# Altium PCB Monitor_Board.PcbDoc (part 1 of 5)
Units mm, origin at the board's own origin, x right, y up, seen from the top; angles counter-clockwise.
Board outline 99.59 x 64.16 mm, 4 copper layers (Top Layer, GND02, PWR03, Bottom Layer), stack 0.603 mm thick; 84 components, 146 nets, 502 pads, 244 vias.
Unrouted connection lines stored in the file: 39.
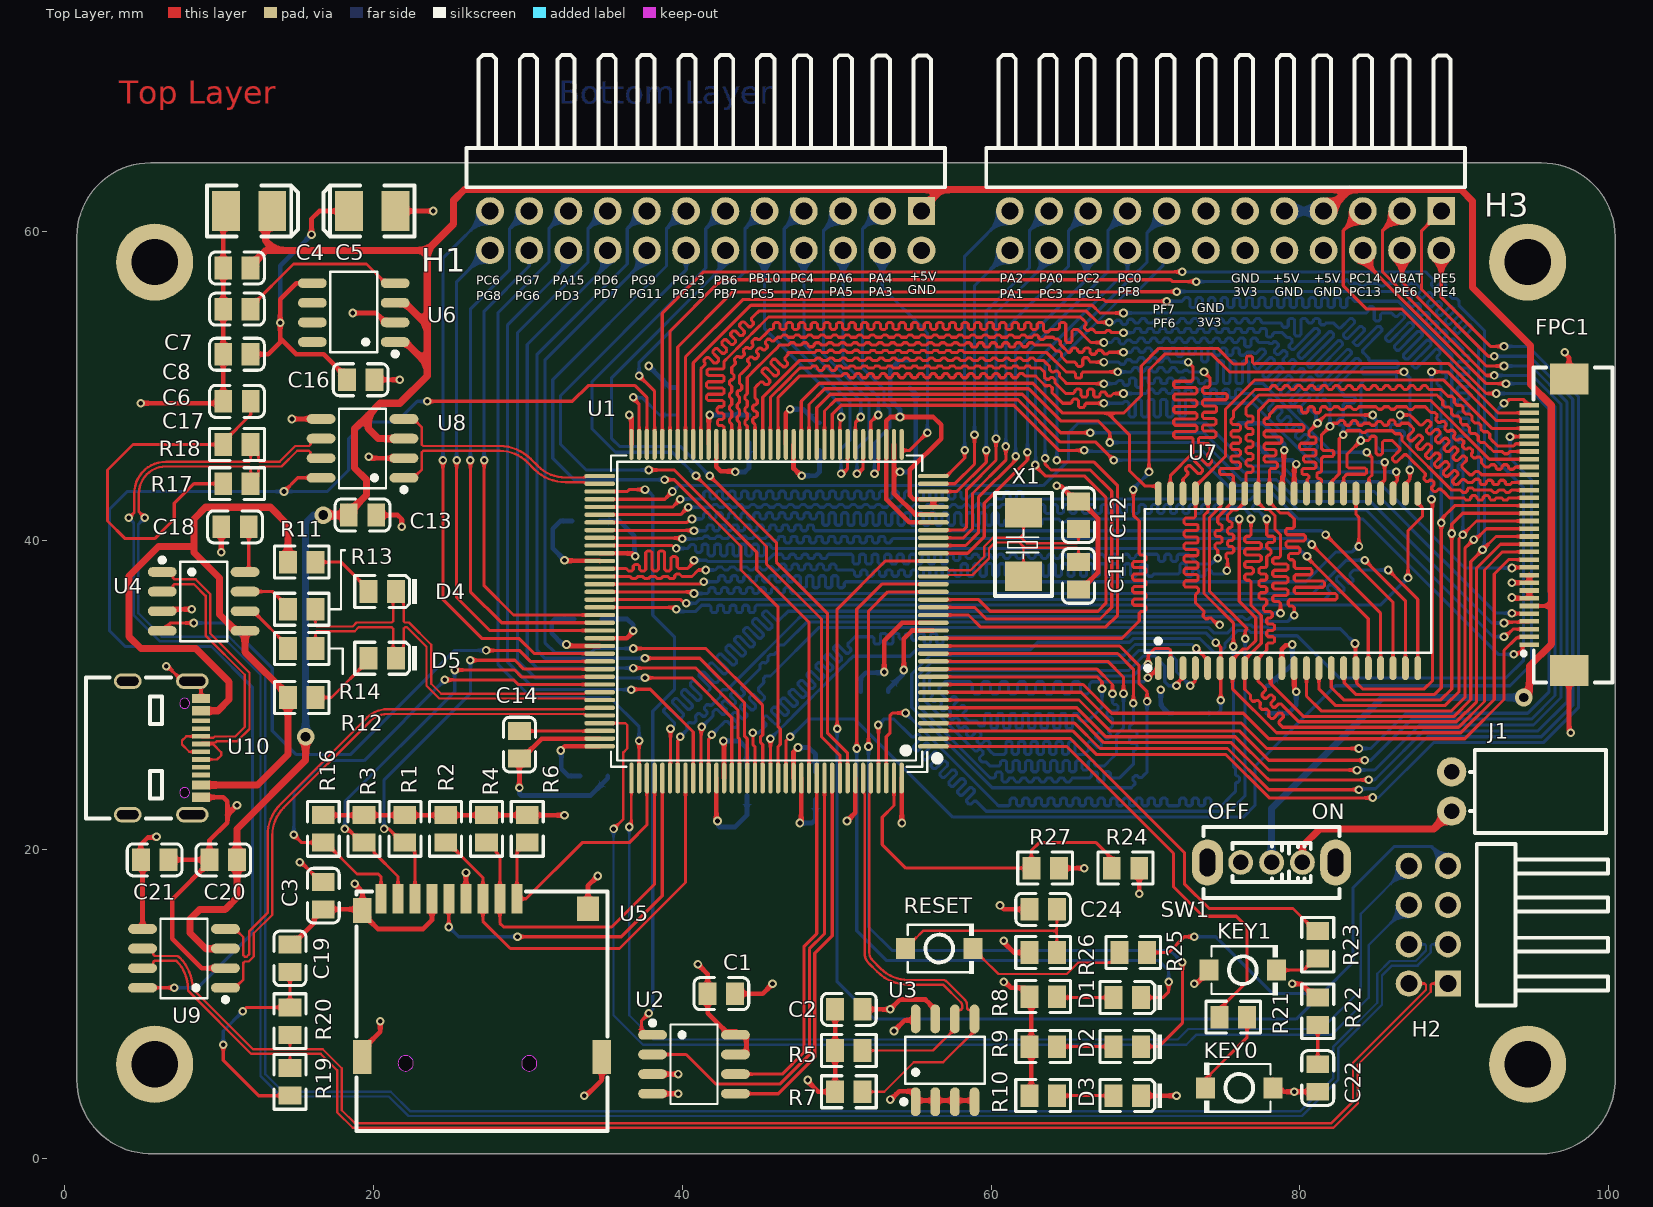
[diagram p0: Top Layer view]
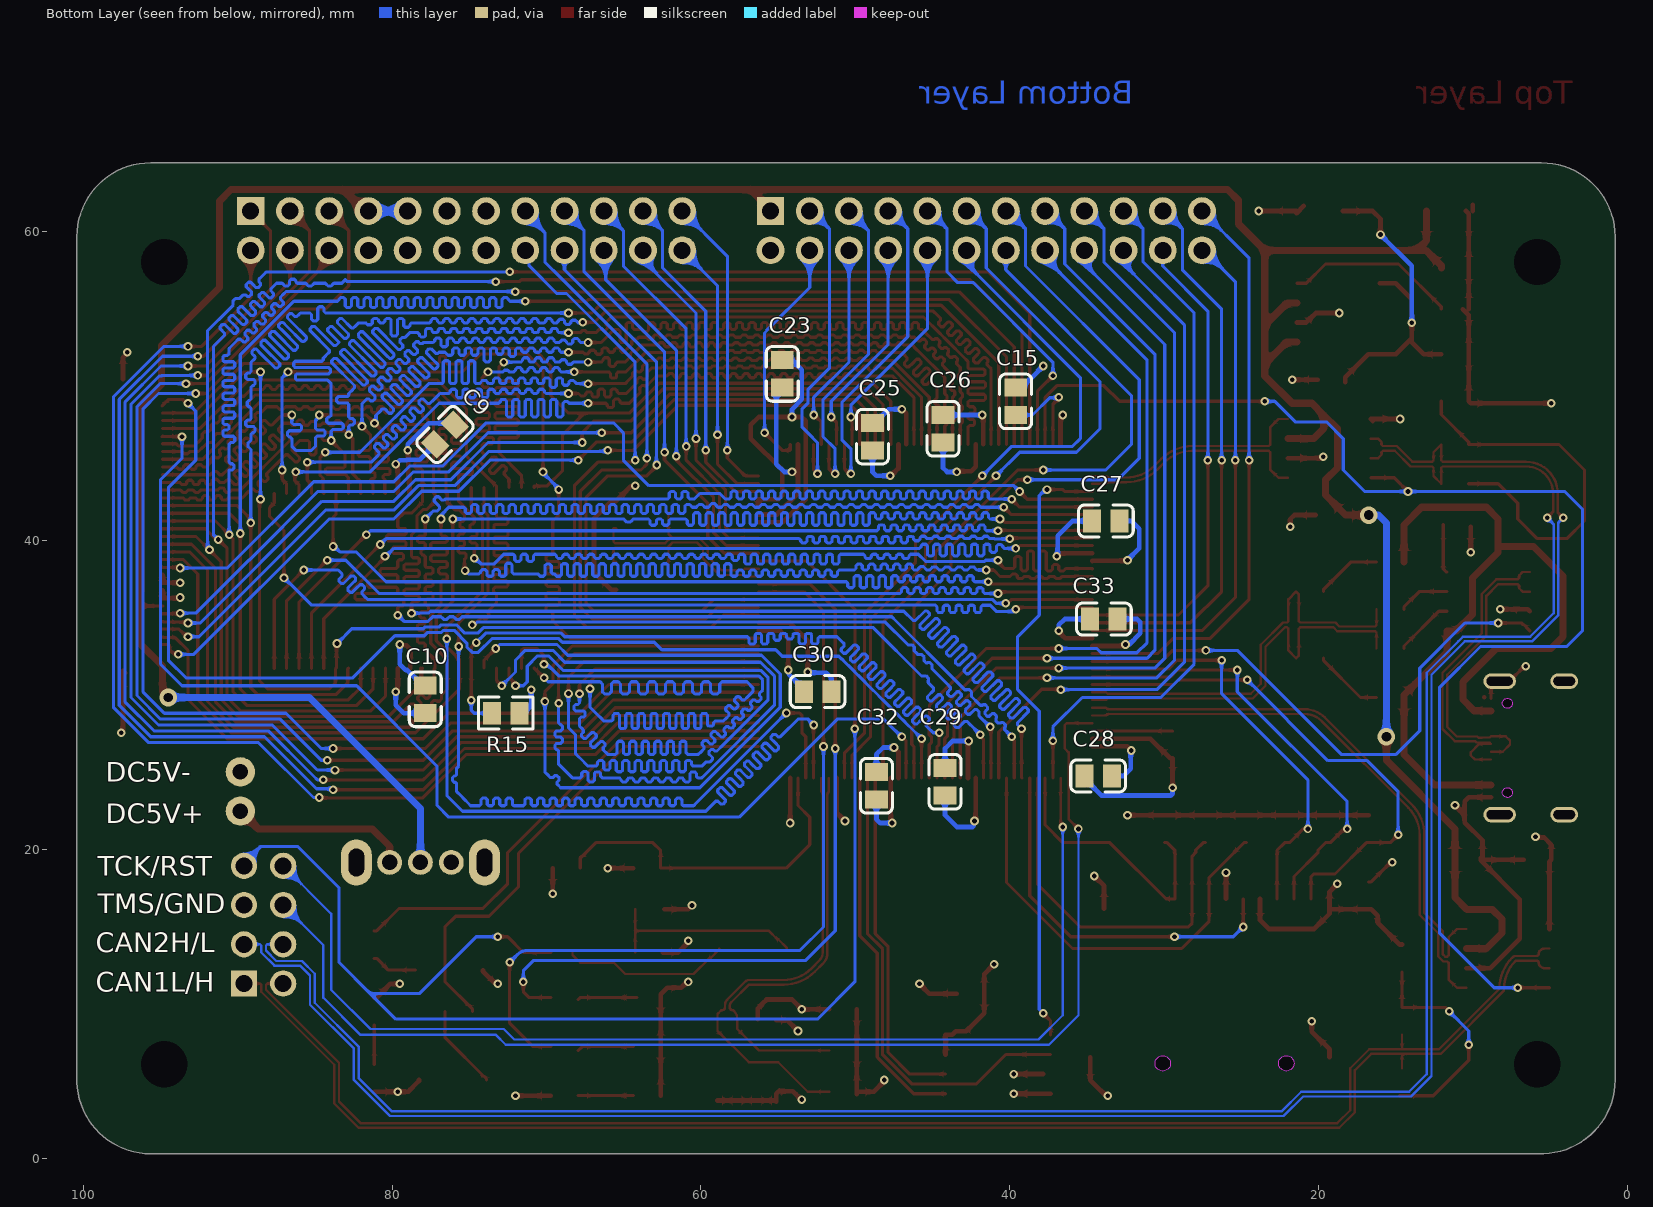
[diagram p1: Bottom Layer view, seen from below]
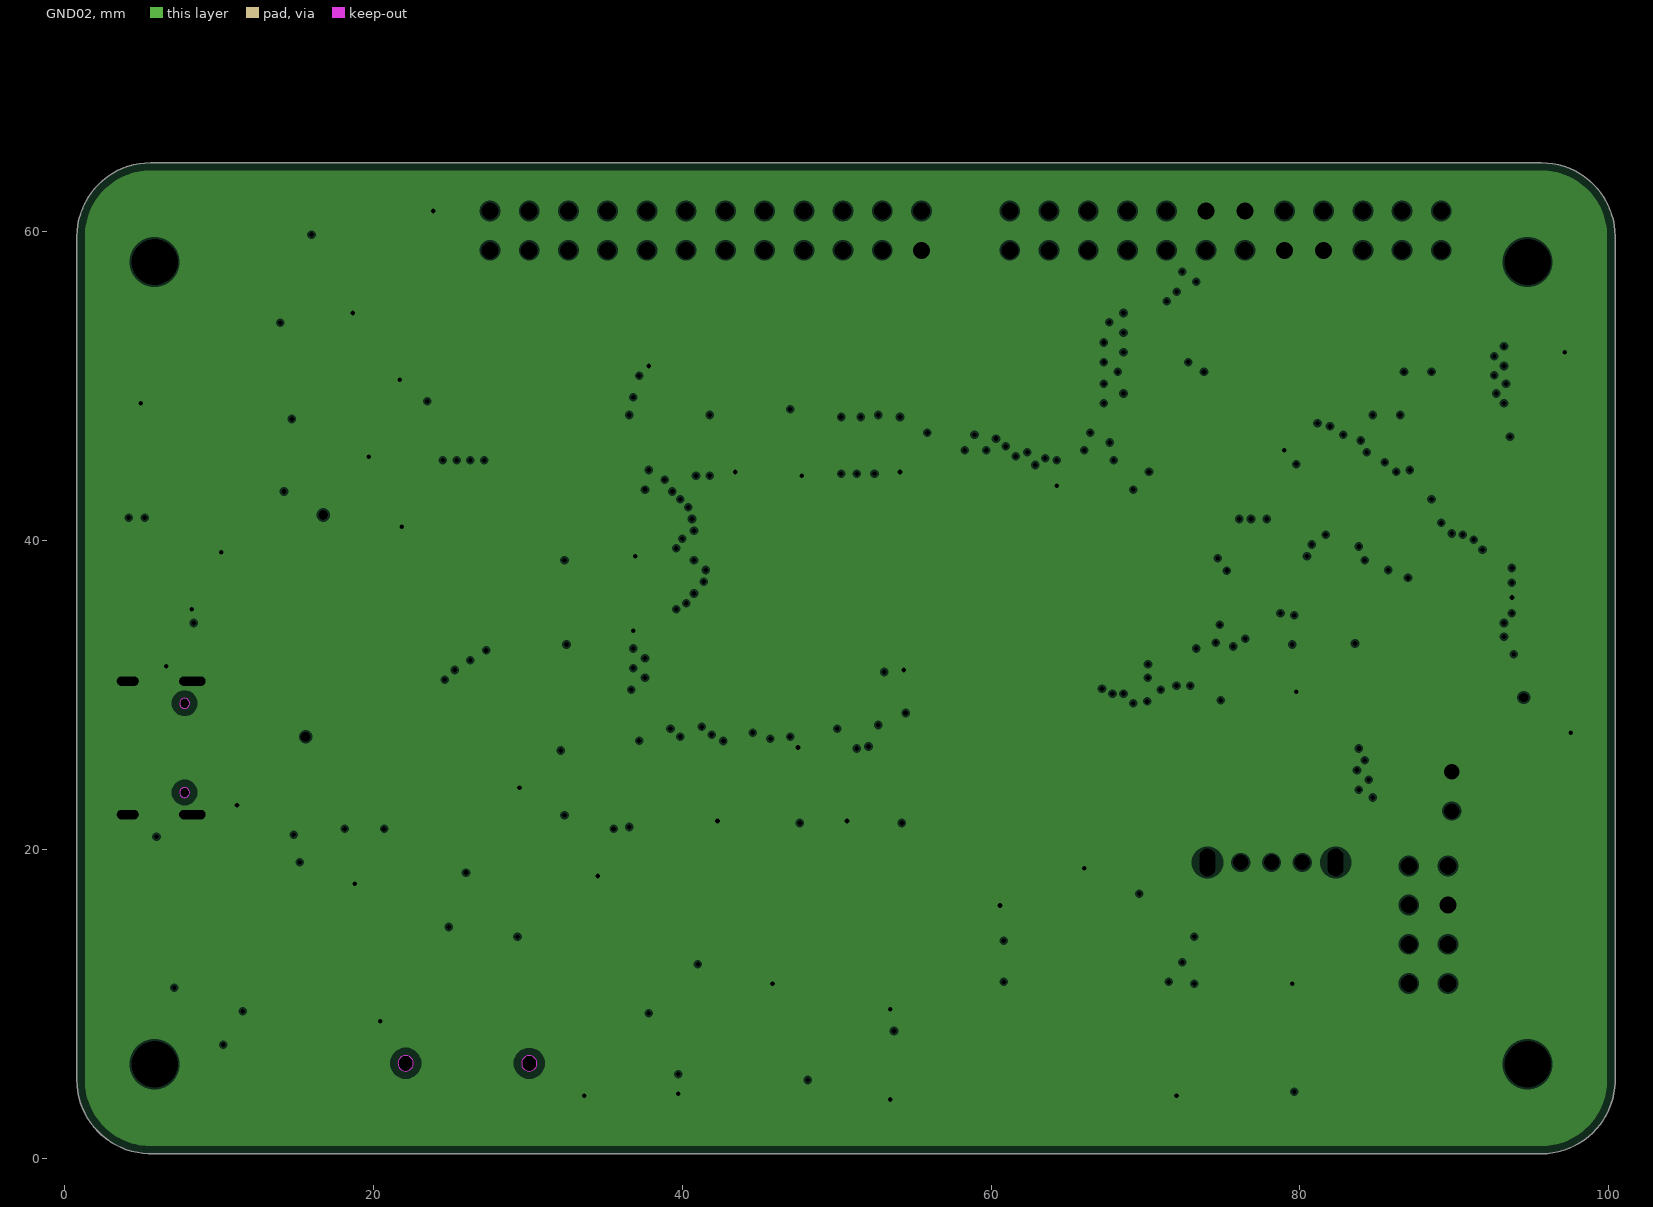
[diagram p2: GND02, clearances drawn from the general rule]
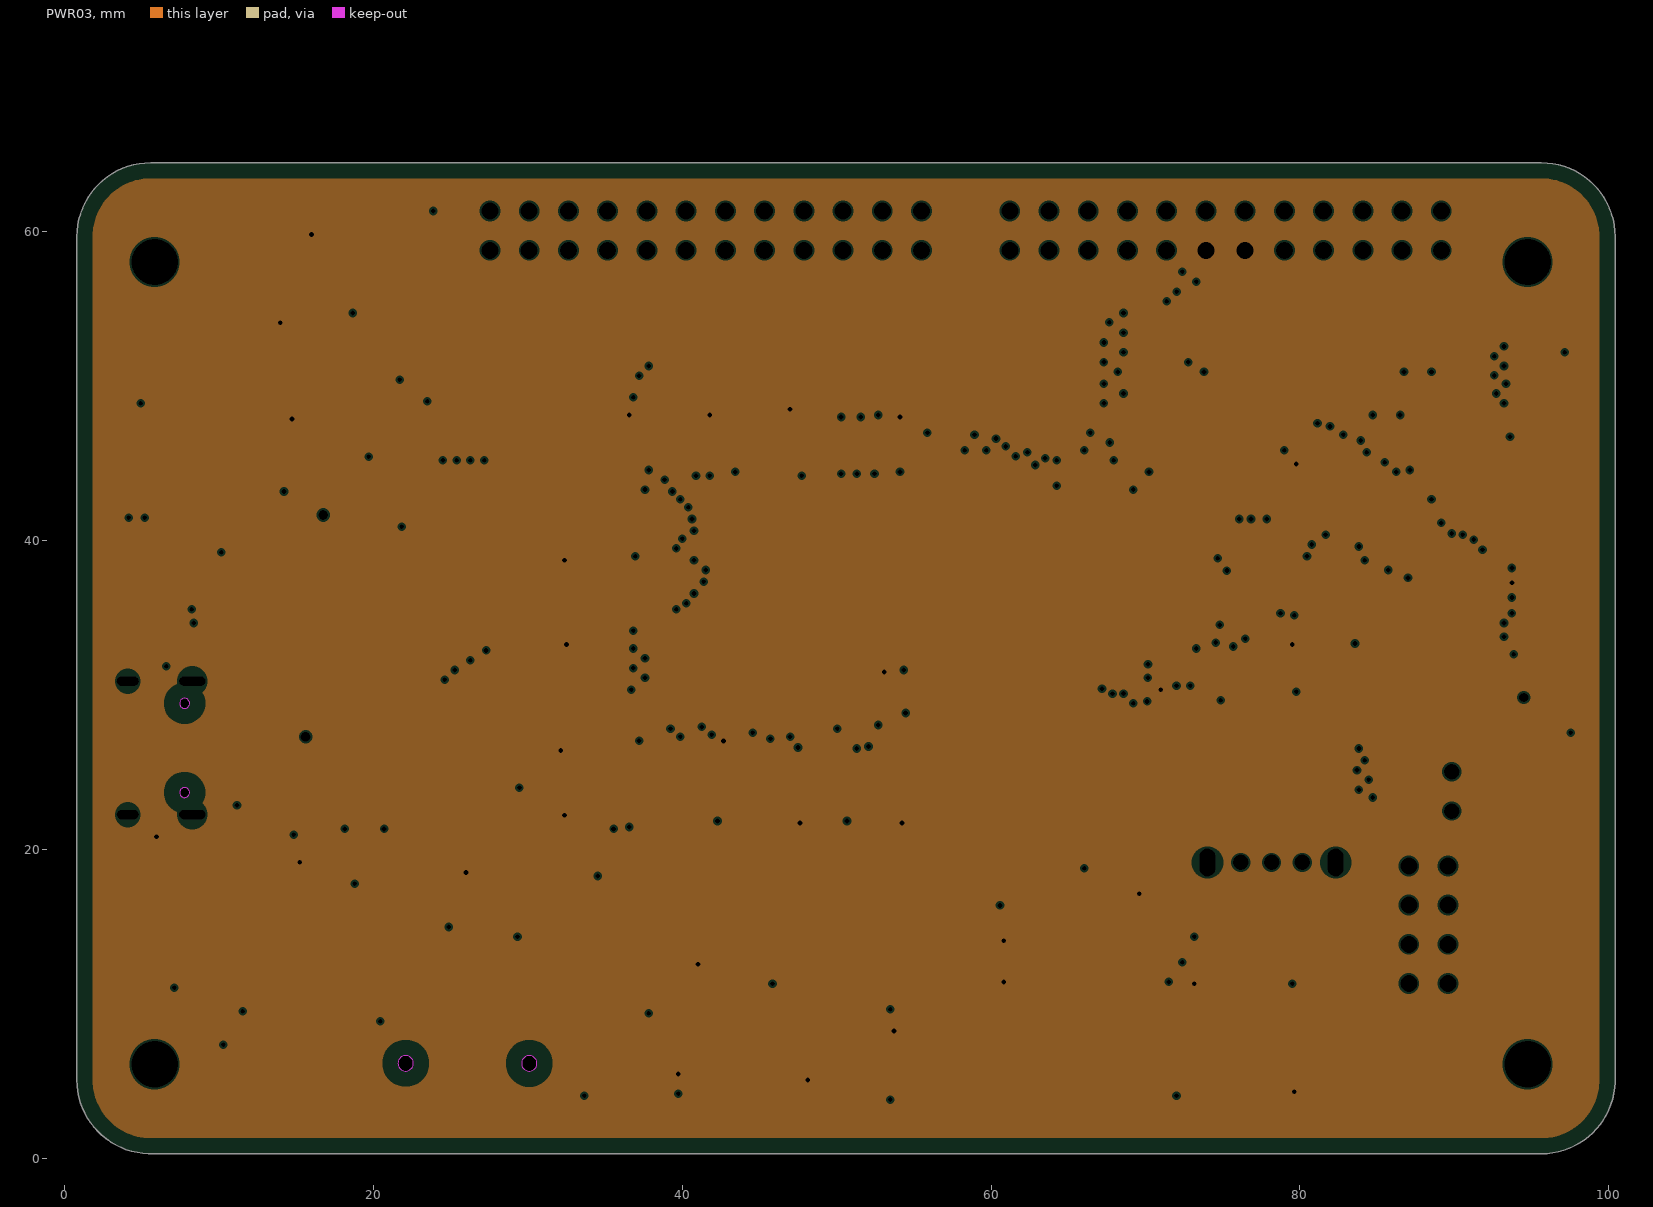
[diagram p3: PWR03, clearances drawn from the general rule]
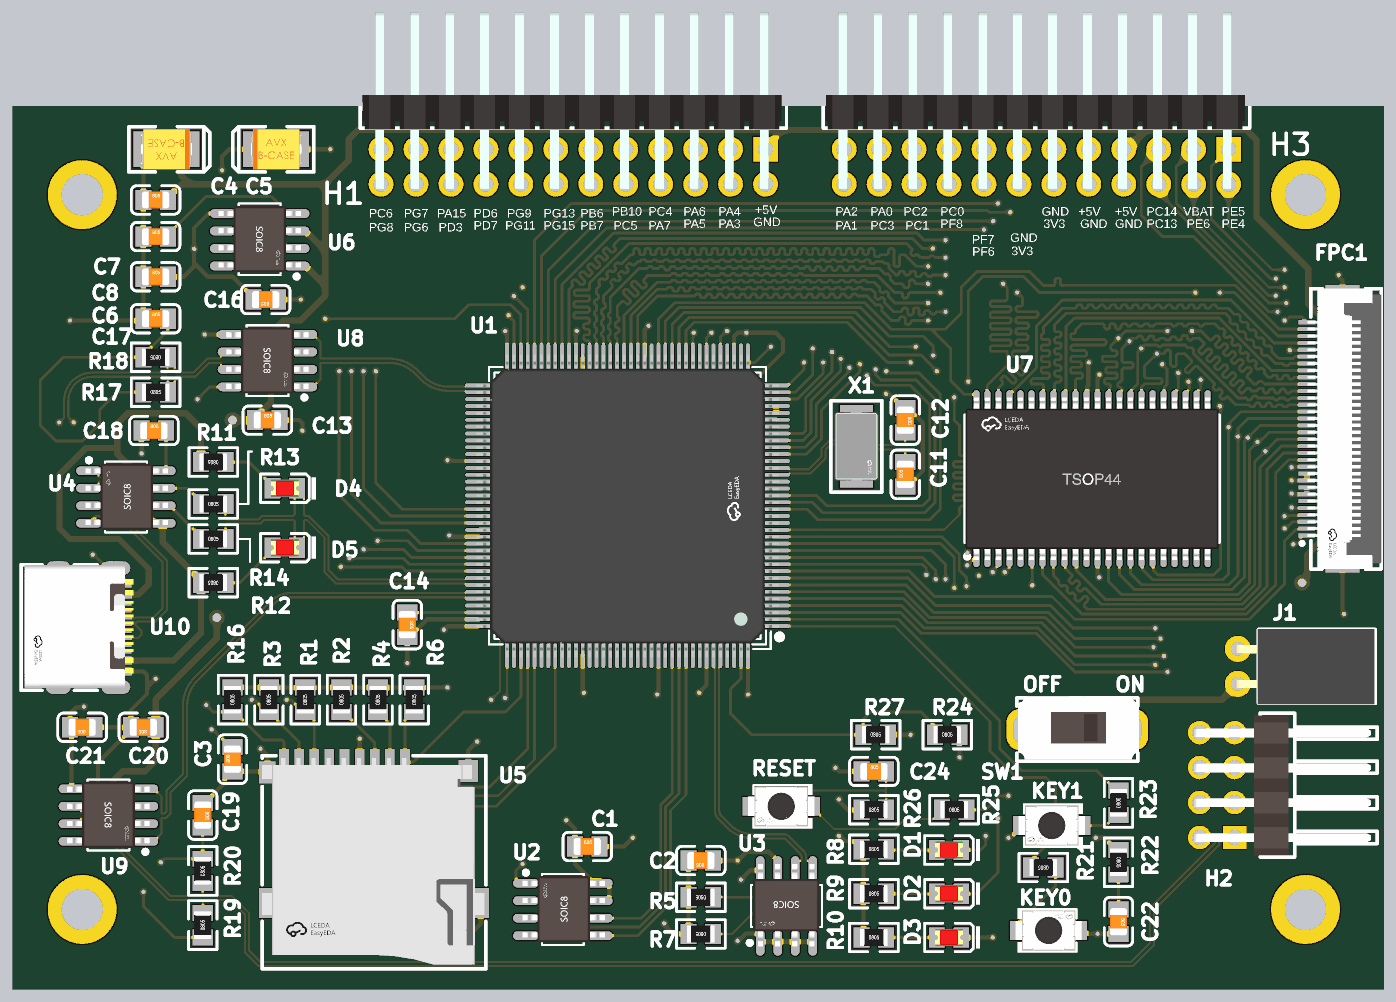
[diagram p8: 3D render of the assembled board from above, using the file's embedded part models]
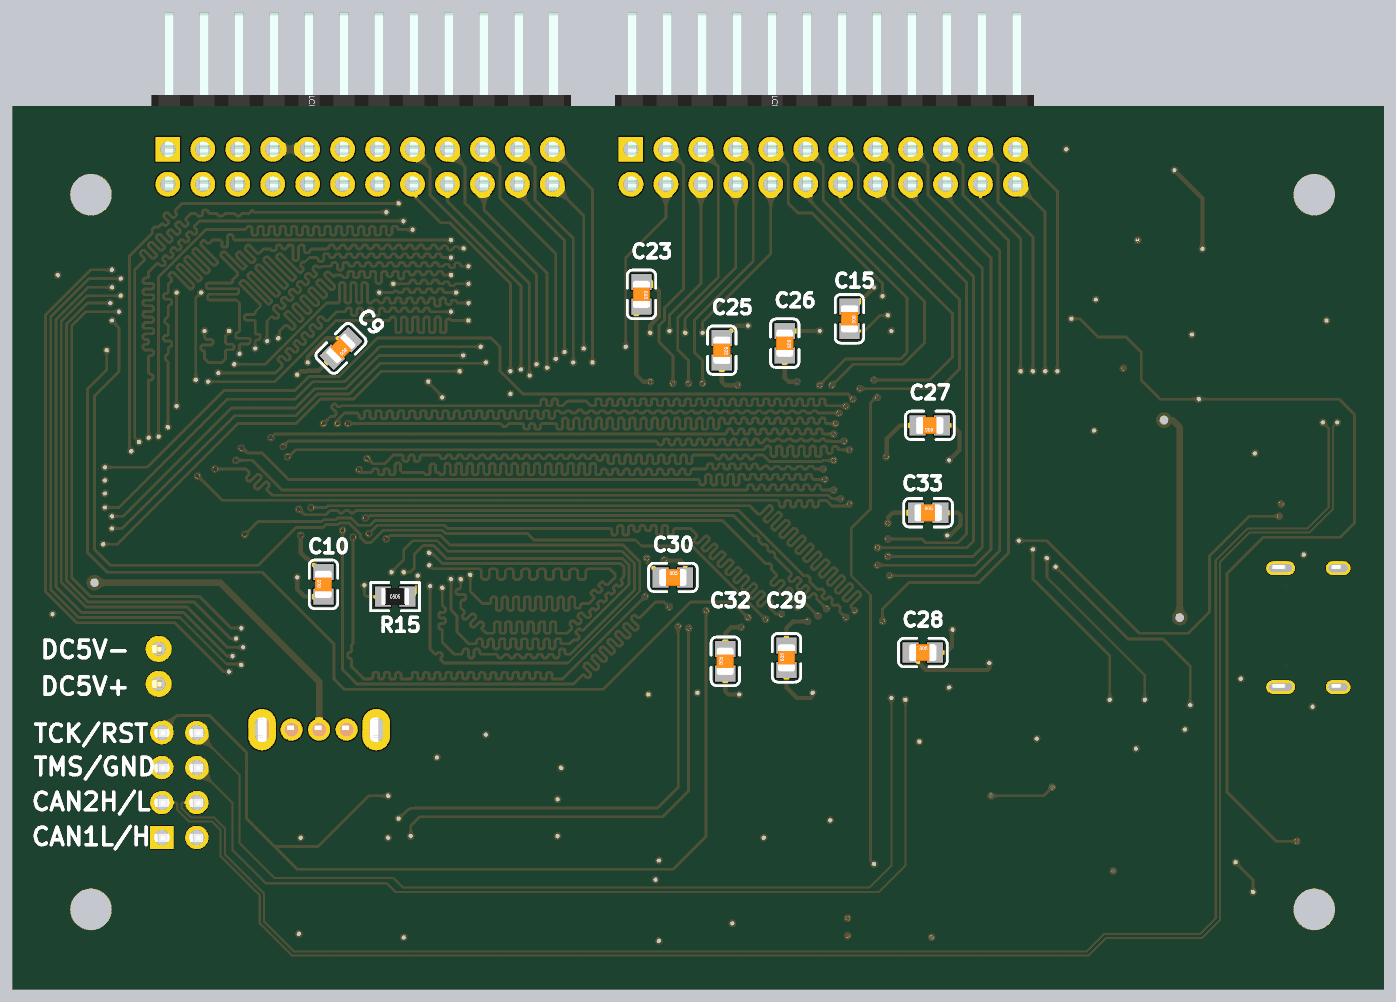
[diagram p9: 3D render of the assembled board from below, using the file's embedded part models]

## Layer stack, top to bottom
Top Solder: solder mask 0.0102, Solder Resist, Dk 3.5
Top Layer: signal copper 0.0356
Dielectric 2: prepreg 0.0711, PP-006, Dk 4.1
GND02: plane copper 0.035, net GND
Dielectric 1: dielectric 0.32, FR-4, Dk 4.8
PWR03: plane copper 0.035, net VCC3V3
Dielectric 3: prepreg 0.0711, PP-006, Dk 4.1
Bottom Layer: signal copper 0.0356
Bottom Solder: solder mask 0.0102, Solder Resist, Dk 3.5

## Board outline
0.812,5.08 0.812,5.715 0.812,59.69 cw(c5.588,59.69) 5.588,64.466 cw(c5.588,64.389) 5.589,64.466 95.63,64.466 95.631,64.466 cw(c95.631,59.69) 100.407,59.69 cw(c100.33,59.69) 100.407,59.689 100.407,5.08 cw(c100.33,5.08) 100.407,5.08 cw(c95.631,5.08) 100.407,5.08 100.407,4.953 cw(c100.33,4.953) 100.404,4.935 cw(c95.631,5.08) 95.631,0.304 5.461,0.304 cw(c5.461,0.381) 5.443,0.307 cw(c5.588,5.08)

## Design rules (kind name [scope] priority, off if disabled: settings)
Clearance [All] p1: gap=0.152 ignorepadtopadclearanceinfootprint=FALSE
DiffPairsRouting [All] p1: maxlimit=0.152 minlimit=0.152 mostfreqgap=0.152 toplayer_minwidth=0.152 toplayer_maxwidth=0.152 toplayer_prefwidth=0.152 bottomlayer_minwidth=0.152 bottomlayer_maxwidth=0.152 bottomlayer_prefwidth=0.152 maxuncoupledlength=12.7
MinimumSolderMaskSliver [All] p1: minsoldermaskwidth=0.076
PlaneClearance [All] p1: clearance=0.127
PlaneConnect [All] p1: planeconnectstyle=Relief reliefexpansion=0.508 reliefentries=4 reliefconductorwidth=0.254 reliefairgap=0.254
PolygonConnect [All] p1: connectstyle=Relief reliefconductorwidth=0.254 reliefentries=4 polygonreliefangle="90 Angle" airgapwidth=0.254
RoutingVias [All] p1: holewidth=0.305 width=0.559 viastyle="Through Hole" minholewidth=0.305 minwidth=0.559 maxholewidth=0.305 maxwidth=0.559
SilkToSilkClearance [All] p1: silktosilkclearance=0.152
SilkToSolderMaskClearance [IsPad] p1: minsilkscreentomaskgap=0.025 clearancetoexposedcopper=TRUE
SolderMaskExpansion [All] p1: expansion=0.102 useseparateexpansions=TRUE expansionbottom=0.102
Width [All] p1: maxlimit=0.457 minlimit=0.152 preferedwidth=0.152
24 further rules are at their usual default settings.

## Classes and differential pairs
net class sramx: SRAM_A0 SRAM_A1 SRAM_A2 SRAM_A3 SRAM_A4 SRAM_A5 SRAM_A7 SRAM_A8 SRAM_A9 SRAM_A10 SRAM_A11 SRAM_A12 SRAM_A13 SRAM_A14 SRAM_A15 SRAM_A16 SRAM_A17 SRAM_A18
net class lcdx: FPC_LCD_D0 FPC_LCD_D1 FPC_LCD_D2 FPC_LCD_D3 FPC_LCD_D4 FPC_LCD_D5 FPC_LCD_D6 FPC_LCD_D7 FPC_LCD_D8 FPC_LCD_D9 FPC_LCD_D10 FPC_LCD_D11 FPC_LCD_D12 FPC_LCD_D13 FPC_LCD_D14 FPC_LCD_D15
component class Designator: C9 C10 C13 C16 C17 C19 C20 C21 FPC1 R15 R17 R18 R19 R20 U7 U8 U9
component class Designator1: C1 C2 C3 C4 C5 C6 C7 C8 C18 C22 D1 D2 D3 D4 D5 J1 KEY0 KEY1 R1 R2 R3 R4 R5 R6 R7 R8 R9 R10 R11 R12 R13 R14 R16 R21 R22 R23 SW1 U2 U3 U4 U5 U6 U10
component class MCU: C11 C12 C14 C15 C23 C24 C25 C26 C27 C28 C29 C30 C32 C33 H1 H2 H3 R24 R25 R26 R27 RESET U1 X1
differential pair X1: +X1_P -X1_N
differential pair UART: +UART_P -UART_N
differential pair CAN1: +CAN1_P -CAN1_N
differential pair CAN2: +CAN2_P -CAN2_N
differential pair CAN2HL: +CAN2HL_P -CAN2HL_N
differential pair CAN1HL: +CAN1HL_P -CAN1HL_N
differential pair EEPROM: +EEPROM_P -EEPROM_N
differential pair USB_UART: +USB_UART_P -USB_UART_N

## Components (designator, comment, footprint, x,y, rotation, side; value= is the part's Value field where it differs from the comment)
C1 "100nF(104) 10% 50V" 0805_C 42.544,10.668 r0 top
C2 "100nF(104) 10% 50V" 0805_C 50.799,9.652 r180 top
C3 "100nF(104) 10% 50V" 0805_C 16.764,17.017 r90 top
C4 "100uF (107) ±10% 6.3V" CASE-B_3528 11.962,61.341 r0 top
C5 "100uF (107) ±10% 6.3V" CASE-B_3528 19.939,61.341 r180 top
C6 "100nF(104) 10% 50V" 0805_C 11.175,52.07 r0 top
C7 "100nF(104) 10% 50V" 0805_C 11.175,57.658 r0 top
C8 "22nF (223) 10% 50V" 0805_C 11.175,54.991 r0 top
C9 "100UF (223) 10% 50V" 0805_C 76.575,46.869 r315 bottom
C10 "100UF (223) 10% 50V" 0805_C 77.851,29.719 r90 bottom
C11 "22pF (220) 5% 50V" 0805_C 65.659,37.718 r90 top
C12 "22pF (220) 5% 50V" 0805_C 65.659,41.657 r270 top
C13 "100UF (223) 10% 50V" 0805_C 19.303,41.656 r0 top
C14 "2.2uF (225) 20% 50V" 0805_C 29.464,26.796 r270 top
C15 "2.2uF (225) 20% 50V" 0805_C 39.624,49.021 r270 bottom
C16 "100UF (223) 10% 50V" 0805_C 19.178,50.419 r180 top
C17 "100UF (223) 10% 50V" 0805_C 11.177,49.022 r0 top
C18 "100nF(104) 10% 50V" 0805_C 11.049,40.894 r0 top
C19 "100UF (223) 10% 50V" 0805_C 14.605,12.955 r270 top
C20 "100UF (223) 10% 50V" 0805_C 10.287,19.332 r180 top
C21 "100UF (223) 10% 50V" 0805_C 5.841,19.332 r180 top
C22 "100nF(104) 10% 50V" 0805_C 81.153,5.208 r270 top
C23 "100nF(104) 10% 50V" 0805_C 54.737,50.799 r270 bottom
C24 "100nF(104) 10% 50V" 0805_C 63.372,16.129 r0 top
C25 "100nF(104) 10% 50V" 0805_C 48.895,46.735 r270 bottom
C26 "100nF(104) 10% 50V" 0805_C 44.323,47.245 r270 bottom
C27 "100nF(104) 10% 50V" 0805_C 33.781,41.275 r0 bottom
C28 "100nF(104) 10% 50V" 0805_C 34.289,24.765 r180 bottom
C29 "100nF(104) 10% 50V" 0805_C 44.196,24.385 r90 bottom
C30 "100nF(104) 10% 50V" 0805_C 52.451,30.226 r180 bottom
C32 "100nF(104) 10% 50V" 0805_C 48.641,24.131 r90 bottom
C33 "100nF(104) 10% 50V" 0805_C 33.91,34.925 r180 bottom
D1 "红灯 0805" 0805_LED_S1 68.833,10.414 r180 top
D2 "蓝灯 0805" 0805_LED_S1 68.833,7.239 r180 top
D3 "翠绿 0805" 0805_LED_S1 68.833,4.064 r180 top
D4 "红灯 0805" 0805_LED_S1 20.573,36.703 r180 top
D5 "蓝灯 0805" 0805_LED_S1 20.574,32.385 r180 top
FPC1 "FPC-05F-32PH20" FPC-SMD_32P-P0.50_XUNPU_FPC-05F-32PH20 96.139,41.021 r90 top locked
H1 "PZ254R-12-24P" PZ254R-12-24P 41.275,62.277 r0 top
H2 "PZ254-2-04-W-8.5" PZ254-2-04-W-8.5 91.948,14.605 r90 top
H3 "PZ254R-12-24P" PZ254R-12-24P 74.93,62.277 r0 top
J1 "2P 排母" PM254-1-02-W-8.5 94.615,23.749 r90 top
KEY0 "TS-1088-AR02016" SW-SMD_L3.9-W3.0-P4.45 76.073,4.572 r180 top
KEY1 "TS-1088-AR02016" SW-SMD_L3.9-W3.0-P4.45 76.301,12.192 r0 top
R1 "47KΩ (4702) ±1%" 0805_R 22.047,21.337 r90 top
R2 "47KΩ (4702) ±1%" 0805_R 24.689,21.337 r90 top
R3 "47KΩ (4702) ±1%" 0805_R 19.406,21.337 r90 top
R4 "47KΩ (4702) ±1%" 0805_R 27.33,21.337 r90 top
R5 "4.7KΩ (4701) ±1%" 0805_R 50.8,6.985 r180 top
R6 "47KΩ (4702) ±1%" 0805_R 29.972,21.337 r90 top
R7 "4.7KΩ (4701) ±1%" 0805_R 50.799,4.318 r180 top
R8 "510Ω (5100) ±1%" 0805_R 63.372,10.477 r0 top
R9 "510Ω (5100) ±1%" 0805_R 63.372,7.239 r0 top
R10 "510Ω (5100) ±1%" 0805_R 63.372,4.064 r0 top
R11 "2KΩ (5100) ±1%" 0805_R 15.366,38.608 r180 top
R12 "2KΩ (5100) ±1%" 0805_R 15.366,29.845 r180 top
R13 "100Ω (5100) ±1%" 0805_R 15.368,35.56 r0 top
R14 "100Ω (5100) ±1%" 0805_R 15.367,33.02 r0 top
R15 "10KΩ (5100) ±1%" 0805_R 72.643,28.829 r180 bottom
R16 "47KΩ (4702) ±1%" 0805_R 16.764,21.337 r90 top
R17 "60Ω (1200) ±1%" 0805_R 11.175,43.688 r0 top
R18 "60Ω (1200) ±1%" 0805_R 11.175,46.228 r180 top
R19 "60Ω (1200) ±1%" 0805_R 14.605,4.952 r90 top
R20 "60Ω (1200) ±1%" 0805_R 14.605,8.891 r90 top
R21 "510Ω (5100) ±1%" 0805_R 75.691,9.144 r180 top
R22 "4.7KΩ (5100) ±1%" 0805_R 81.153,9.526 r270 top
R23 "510Ω (5100) ±1%" 0805_R 81.153,13.843 r90 top
R24 "0Ω  ±1%" 0805_R 68.706,18.796 r0 top
R25 "510Ω (5100) ±1%" 0805_R 69.208,13.335 r0 top
R26 "4.7KΩ (5100) ±1%" 0805_R 63.372,13.335 r0 top
R27 "0Ω  ±1%" 0805_R 63.499,18.796 r0 top
RESET "TS-1088-AR02016" SW-SMD_L3.9-W3.0-P4.45 56.642,13.589 r0 top
SW1 "SS12D07VG3 087" SS12D07VG3 76.962,19.177 r180 top
U1 "STM32F407ZGT6" LQFP-144_L20.0-W20.0-P0.50-LS22.0-BL 45.466,35.433 r90 top locked
U2 "W25Q128JVSIQTR" CH340_N 40.767,6.096 r270 top
U3 "EEPROM/AT24C256C-SSHL-T" CH340_N 57.023,6.35 r0 top
U4 "CH340N_C2977777" CH340_N 9.017,36.068 r270 top
U5 "MR01A-01211" TF-SMD_MR01A-01211 27.051,11.684 r0 top
U6 "RT9193-33GB" RT9193-33GB 18.542,53.594 r90 top
U7 "1M sram芯片" IS61LV51216 79.228,37.397 r0 top locked
U8 "TJA1042T_C7432799" TJA1042 19.304,45.974 r90 top
U9 "TJA1042T_C7432799" TJA1042 7.747,12.954 r90 top
U10 "TYPE-C-31-M-14" TYPE-C-31-M-14 5.715,26.797 r270 top
X1 "8MHZ" CRYSTAL-SMD_L5.0-W3.2 62.103,39.751 r270 top value=8MHz

## Footprints (in the part's own frame and the unit in brackets; to place one, negate y for a bottom-side part, rotate by r counter-clockwise, add the part's x,y. Pads: shape width x height; smd on the part's side, far side on the other; paste and mask are expansions set on the pad)
0805_C [mm]
  rect 1.16x1.47 smd: 1(-0.89,0) 2(0.89,0)
  silkscreen extent -1.77,-1.04 1.77,1.04, body extent -1,-0.62 1,0.63, height 0.77
0805_LED_S1 [mm]
  rect 1.16x1.47 smd: A(0.89,0) K(-0.89,0)
  silkscreen extent -2.25,-1.04 1.77,1.03, body extent -1.01,-0.62 1.01,0.62, height 1.1
0805_R [mm]
  rect 1.16x1.47 smd: 1(-0.89,0) 2(0.89,0)
  silkscreen extent -1.77,-1.04 1.77,1.03, body extent -1,-0.62 1,0.63, height 0.49
CASE-B_3528 [mm]
  rect 1.8x2.6 smd: 1(1.5,0) 2(-1.5,0)
  silkscreen extent -2.73,-1.65 3.16,1.65, body extent -1.85,-1.47 1.85,1.46, height 2.03
CH340_N [mm] "USB转串口小封装芯片"
  oval 0.63x1.865 smd: 1(-1.905,-2.682) 2(-0.635,-2.682) 3(0.635,-2.682) 4(1.905,-2.682) 5(1.905,2.682) 6(0.635,2.682) 7(-0.635,2.682)
  oval 0.63x1.865 smd mask+0.102: 8(-1.905,2.682)
  silkscreen extent -2.82,-2.83 2.58,1.52, body extent -2.43,-2.94 2.39,3.06, height 1.67
CRYSTAL-SMD_L5.0-W3.2 [mm]
  rect 1.9x2.4 smd: 1(-2.05,0) 2(2.05,0)
  silkscreen extent -3.32,-1.85 3.33,1.85, body extent -2.5,-1.6 2.5,1.6, height 1.41
FPC-SMD_32P-P0.50_XUNPU_FPC-05F-32PH20 [mm]
  rect 0.3x1.25 smd paste+0 mask+0.05: 1(-7.75,1.288) 2(-7.25,1.288) 3(-6.75,1.288) 4(-6.25,1.288) 5(-5.75,1.288) 6(-5.25,1.288) 7(-4.75,1.288) 8(-4.25,1.288) 9(-3.75,1.288) 10(-3.25,1.288) 11(-2.75,1.288) 12(-2.25,1.288) 13(-1.75,1.288) 14(-1.25,1.288) 15(-0.75,1.288) 16(-0.25,1.288) 17(0.25,1.288) 18(0.75,1.288) 19(1.25,1.288) 20(1.75,1.288) 21(2.25,1.288) 22(2.75,1.288) 23(3.25,1.288) 24(3.75,1.288) 25(4.25,1.288) 26(4.75,1.288) 27(5.25,1.288) 28(5.75,1.288) 29(6.25,1.288) 30(6.75,1.288) 31(7.25,1.288) 32(7.75,1.288)
  rect 2x2.5 smd paste+0 mask+0.05: 33(9.44,-1.288) 34(-9.44,-1.288)
  silkscreen extent -10.2,-4.11 10.2,1.78, body extent -10.2,-4.11 10.2,1.29, height 2.01
IS61LV51216 [mm] "TSOP-44_L18.4-W10.2-P0.80-LS11.8-BL"
  oval 0.448x1.551 smd: 1(-8.4,-5.656) 2(-7.6,-5.656) 3(-6.8,-5.656) 4(-6,-5.656) 5(-5.2,-5.656) 6(-4.4,-5.656) 7(-3.6,-5.656) 8(-2.8,-5.656) 9(-2,-5.656) 10(-1.2,-5.656) 11(-0.4,-5.656) 12(0.4,-5.656) 13(1.2,-5.656) 14(2,-5.656) 15(2.8,-5.656) 16(3.6,-5.656) 17(4.4,-5.656) 18(5.2,-5.656) 19(6,-5.656) 20(6.8,-5.656) 21(7.6,-5.656) 22(8.4,-5.656) 23(8.4,5.656) 24(7.6,5.656) 25(6.8,5.656) 26(6,5.656) 27(5.2,5.656) 28(4.4,5.656) 29(3.6,5.656) 30(2.8,5.656) 31(2,5.656) 32(1.2,5.656) 33(0.4,5.656) 34(-0.4,5.656) 35(-1.2,5.656) 36(-2,5.656) 37(-2.8,5.656) 38(-3.6,5.656) 39(-4.4,5.656) 40(-5.2,5.656) 41(-6,5.656) 42(-6.8,5.656) 43(-7.6,5.656) 44(-8.4,5.656)
  silkscreen extent -9.28,-5.81 9.28,4.65, body extent -9.21,-5.91 9.19,5.91, height 1.1
LQFP-144_L20.0-W20.0-P0.50-LS22.0-BL [mm] "意法半导体主控芯片"
  oval 0.28x2 smd paste+0 mask+0.051: 1(-8.75,-10.8) 2(-8.25,-10.8) 3(-7.75,-10.8) 4(-7.25,-10.8) 5(-6.75,-10.8) 6(-6.25,-10.8) 7(-5.75,-10.8) 8(-5.25,-10.8) 9(-4.75,-10.8) 10(-4.25,-10.8) 11(-3.75,-10.8) 12(-3.25,-10.8) 13(-2.75,-10.8) 14(-2.25,-10.8) 15(-1.75,-10.8) 16(-1.25,-10.8) 17(-0.75,-10.8) 18(-0.25,-10.8) 19(0.25,-10.8) 20(0.75,-10.8) 21(1.25,-10.8) 22(1.75,-10.8) 23(2.25,-10.8) 24(2.75,-10.8) 25(3.25,-10.8) 26(3.75,-10.8) 27(4.25,-10.8) 28(4.75,-10.8) 29(5.25,-10.8) 30(5.75,-10.8) 31(6.25,-10.8) 32(6.75,-10.8) 33(7.25,-10.8) 34(7.75,-10.8) 35(8.25,-10.8) 36(8.75,-10.8) 73(8.75,10.8) 74(8.25,10.8) 75(7.75,10.8) 76(7.25,10.8) 77(6.75,10.8) 78(6.25,10.8) 79(5.75,10.8) 80(5.25,10.8) 81(4.75,10.8) 82(4.25,10.8) 83(3.75,10.8) 84(3.25,10.8) 85(2.75,10.8) 86(2.25,10.8) 87(1.75,10.8) 88(1.25,10.8) 89(0.75,10.8) 90(0.25,10.8) 91(-0.25,10.8) 92(-0.75,10.8) 93(-1.25,10.8) 94(-1.75,10.8) 95(-2.25,10.8) 96(-2.75,10.8) 97(-3.25,10.8) 98(-3.75,10.8) 99(-4.25,10.8) 100(-4.75,10.8) 101(-5.25,10.8) 102(-5.75,10.8) 103(-6.25,10.8) 104(-6.75,10.8) 105(-7.25,10.8) 106(-7.75,10.8) 107(-8.25,10.8) 108(-8.75,10.8)